# Altium PCB Minion_Rev2.PcbDoc (part 3 of 11)
Units mil, origin at the board's own origin, x right, y up, seen from the top; angles counter-clockwise.
Board outline 4724.41 x 6929.13 mil, 4 copper layers (L1, L2, L3, L4), stack 62.087 mil thick; 873 components, 147 nets, 5651 pads, 5666 vias.
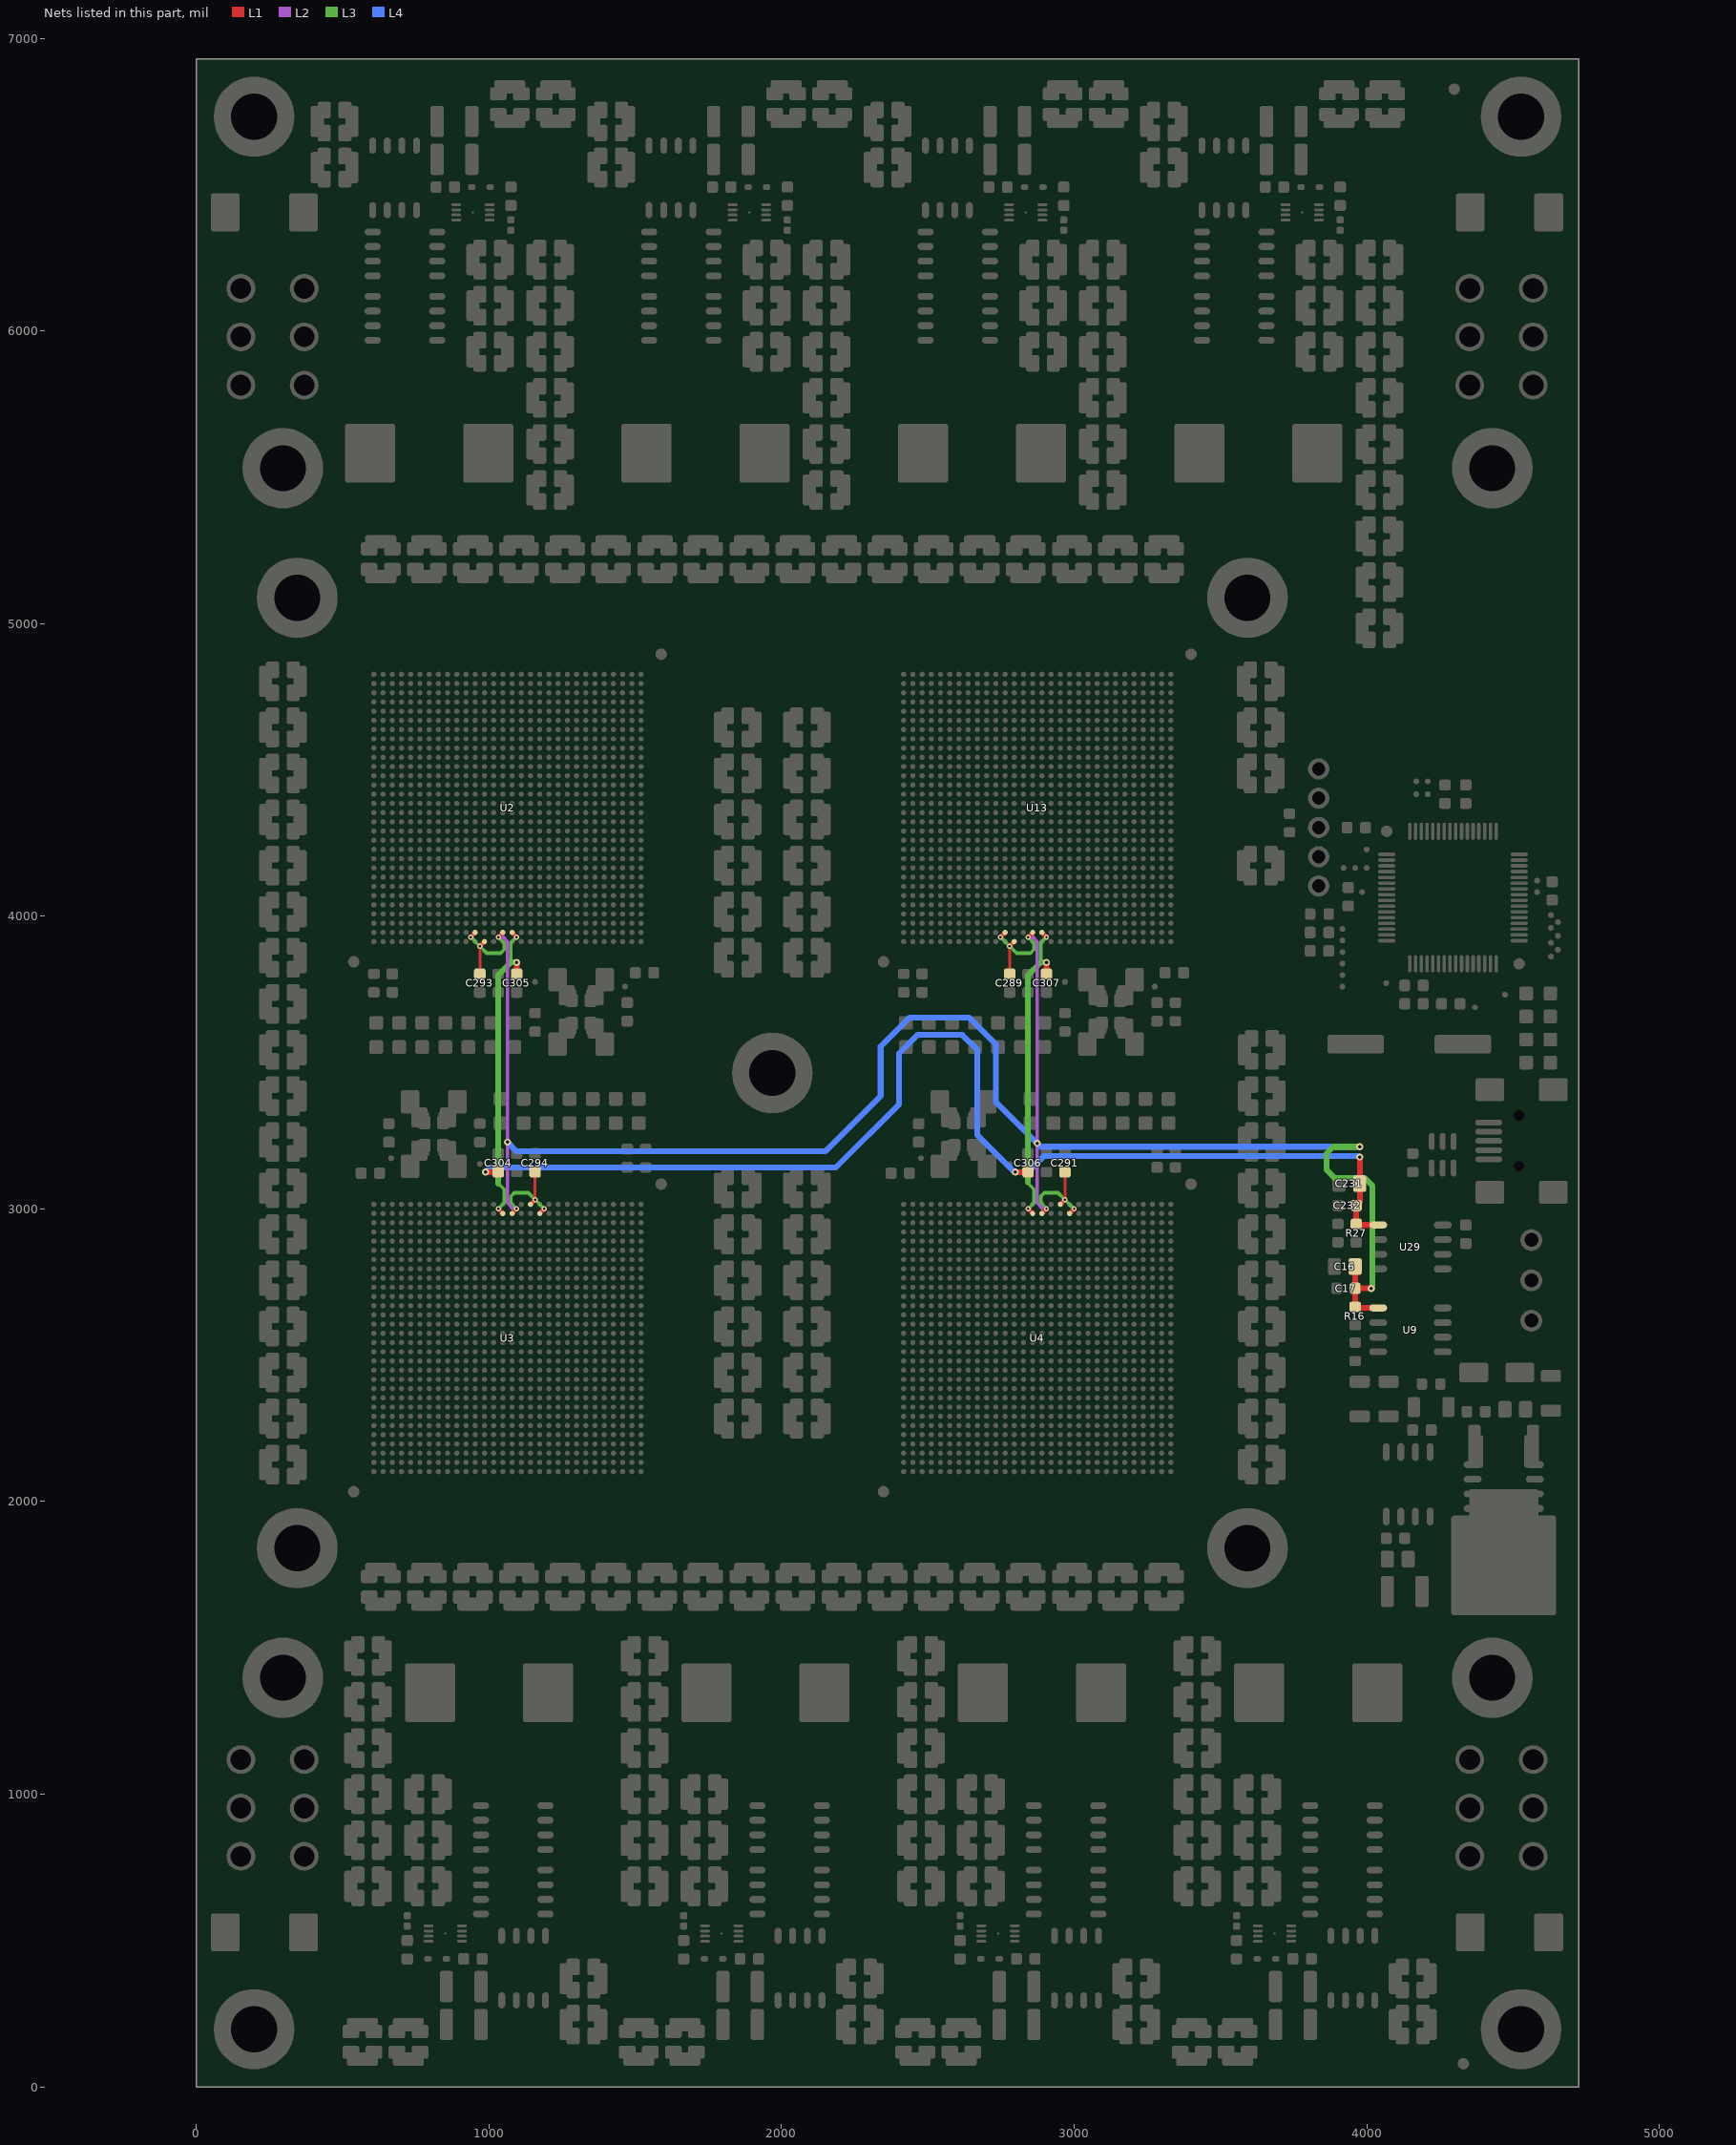
[diagram p5: the nets of this part, all layers, seen from the top]

## Footprints (in the part's own frame and the unit in brackets; to place one, negate y for a bottom-side part, rotate by r counter-clockwise, add the part's x,y. Pads: shape width x height; smd on the part's side, far side on the other; paste and mask are expansions set on the pad) (continued)
SMD_BGA900C80P30X30 [mm]
  round 0.45 smd mask+0.05: A1(-11.6,11.6) A2(-10.8,11.6) A3(-10,11.6) A4(-9.2,11.6) A5(-8.4,11.6) A6(-7.6,11.6) A7(-6.8,11.6) A8(-6,11.6) A9(-5.2,11.6) A10(-4.4,11.6) A11(-3.6,11.6) A12(-2.8,11.6) A13(-2,11.6) A14(-1.2,11.6) A15(-0.4,11.6) A16(0.4,11.6) A17(1.2,11.6) A18(2,11.6) A19(2.8,11.6) A20(3.6,11.6) A21(4.4,11.6) A22(5.2,11.6) A23(6,11.6) A24(6.8,11.6) A25(7.6,11.6) A26(8.4,11.6) A27(9.2,11.6) A28(10,11.6) A29(10.8,11.6) A30(11.6,11.6) AA1(-11.6,-4.4) AA2(-10.8,-4.4) AA3(-10,-4.4) AA4(-9.2,-4.4) AA5(-8.4,-4.4) AA6(-7.6,-4.4) AA7(-6.8,-4.4) AA8(-6,-4.4) AA9(-5.2,-4.4) AA10(-4.4,-4.4) AA11(-3.6,-4.4) AA12(-2.8,-4.4) AA13(-2,-4.4) AA14(-1.2,-4.4) AA15(-0.4,-4.4) AA16(0.4,-4.4) AA17(1.2,-4.4) AA18(2,-4.4) AA19(2.8,-4.4) AA20(3.6,-4.4) AA21(4.4,-4.4) AA22(5.2,-4.4) AA23(6,-4.4) AA24(6.8,-4.4) AA25(7.6,-4.4) AA26(8.4,-4.4) AA27(9.2,-4.4) AA28(10,-4.4) AA29(10.8,-4.4) AA30(11.6,-4.4) AB1(-11.6,-5.2) AB2(-10.8,-5.2) AB3(-10,-5.2) AB4(-9.2,-5.2) AB5(-8.4,-5.2) AB6(-7.6,-5.2) AB7(-6.8,-5.2) AB8(-6,-5.2) AB9(-5.2,-5.2) AB10(-4.4,-5.2) AB11(-3.6,-5.2) AB12(-2.8,-5.2) AB13(-2,-5.2) AB14(-1.2,-5.2) AB15(-0.4,-5.2) AB16(0.4,-5.2) AB17(1.2,-5.2) AB18(2,-5.2) AB19(2.8,-5.2) AB20(3.6,-5.2) AB21(4.4,-5.2) AB22(5.2,-5.2) AB23(6,-5.2) AB24(6.8,-5.2) AB25(7.6,-5.2) AB26(8.4,-5.2) AB27(9.2,-5.2) AB28(10,-5.2) AB29(10.8,-5.2) AB30(11.6,-5.2) AC1(-11.6,-6) AC2(-10.8,-6) AC3(-10,-6) AC4(-9.2,-6) AC5(-8.4,-6) AC6(-7.6,-6) AC7(-6.8,-6) AC8(-6,-6) AC9(-5.2,-6) AC10(-4.4,-6) AC11(-3.6,-6) AC12(-2.8,-6) AC13(-2,-6) AC14(-1.2,-6) AC15(-0.4,-6) AC16(0.4,-6) AC17(1.2,-6) AC18(2,-6) AC19(2.8,-6) AC20(3.6,-6) AC21(4.4,-6) AC22(5.2,-6) AC23(6,-6) AC24(6.8,-6) AC25(7.6,-6) AC26(8.4,-6) AC27(9.2,-6) AC28(10,-6) AC29(10.8,-6) AC30(11.6,-6) AD1(-11.6,-6.8) AD2(-10.8,-6.8) AD3(-10,-6.8) AD4(-9.2,-6.8) AD5(-8.4,-6.8) AD6(-7.6,-6.8) AD7(-6.8,-6.8) AD8(-6,-6.8) AD9(-5.2,-6.8) AD10(-4.4,-6.8) AD11(-3.6,-6.8) AD12(-2.8,-6.8) AD13(-2,-6.8) AD14(-1.2,-6.8) AD15(-0.4,-6.8) AD16(0.4,-6.8) AD17(1.2,-6.8) AD18(2,-6.8) AD19(2.8,-6.8) AD20(3.6,-6.8) AD21(4.4,-6.8) AD22(5.2,-6.8) AD23(6,-6.8) AD24(6.8,-6.8) AD25(7.6,-6.8) AD26(8.4,-6.8) AD27(9.2,-6.8) AD28(10,-6.8) AD29(10.8,-6.8) AD30(11.6,-6.8) AE1(-11.6,-7.6) AE2(-10.8,-7.6) AE3(-10,-7.6) AE4(-9.2,-7.6) AE5(-8.4,-7.6) AE6(-7.6,-7.6) AE7(-6.8,-7.6) AE8(-6,-7.6) AE9(-5.2,-7.6) AE10(-4.4,-7.6) AE11(-3.6,-7.6) AE12(-2.8,-7.6) AE13(-2,-7.6) AE14(-1.2,-7.6) AE15(-0.4,-7.6) AE16(0.4,-7.6) AE17(1.2,-7.6) AE18(2,-7.6) AE19(2.8,-7.6) AE20(3.6,-7.6) AE21(4.4,-7.6) AE22(5.2,-7.6) AE23(6,-7.6) AE24(6.8,-7.6) AE25(7.6,-7.6) AE26(8.4,-7.6) AE27(9.2,-7.6) AE28(10,-7.6) AE29(10.8,-7.6) AE30(11.6,-7.6) AF1(-11.6,-8.4) AF2(-10.8,-8.4) AF3(-10,-8.4) AF4(-9.2,-8.4) AF5(-8.4,-8.4) AF6(-7.6,-8.4) AF7(-6.8,-8.4) AF8(-6,-8.4) AF9(-5.2,-8.4) AF10(-4.4,-8.4) AF11(-3.6,-8.4) AF12(-2.8,-8.4) AF13(-2,-8.4) AF14(-1.2,-8.4) AF15(-0.4,-8.4) AF16(0.4,-8.4) AF17(1.2,-8.4) AF18(2,-8.4) AF19(2.8,-8.4) AF20(3.6,-8.4) AF21(4.4,-8.4) AF22(5.2,-8.4) AF23(6,-8.4) AF24(6.8,-8.4) AF25(7.6,-8.4) AF26(8.4,-8.4) AF27(9.2,-8.4) AF28(10,-8.4) AF29(10.8,-8.4) AF30(11.6,-8.4) AG1(-11.6,-9.2) AG2(-10.8,-9.2) AG3(-10,-9.2) AG4(-9.2,-9.2) AG5(-8.4,-9.2) AG6(-7.6,-9.2) AG7(-6.8,-9.2) AG8(-6,-9.2) AG9(-5.2,-9.2) AG10(-4.4,-9.2) AG11(-3.6,-9.2) AG12(-2.8,-9.2) AG13(-2,-9.2) AG14(-1.2,-9.2) AG15(-0.4,-9.2) AG16(0.4,-9.2) AG17(1.2,-9.2) AG18(2,-9.2) AG19(2.8,-9.2) AG20(3.6,-9.2) AG21(4.4,-9.2) AG22(5.2,-9.2) AG23(6,-9.2) AG24(6.8,-9.2) AG25(7.6,-9.2) AG26(8.4,-9.2) AG27(9.2,-9.2) AG28(10,-9.2) AG29(10.8,-9.2) AG30(11.6,-9.2) AH1(-11.6,-10) AH2(-10.8,-10) AH3(-10,-10) AH4(-9.2,-10) AH5(-8.4,-10) AH6(-7.6,-10) AH7(-6.8,-10) AH8(-6,-10) AH9(-5.2,-10) AH10(-4.4,-10) AH11(-3.6,-10) AH12(-2.8,-10) AH13(-2,-10) AH14(-1.2,-10) AH15(-0.4,-10) AH16(0.4,-10) AH17(1.2,-10) AH18(2,-10) AH19(2.8,-10) AH20(3.6,-10) AH21(4.4,-10) AH22(5.2,-10) AH23(6,-10) AH24(6.8,-10) AH25(7.6,-10) AH26(8.4,-10) AH27(9.2,-10) AH28(10,-10) AH29(10.8,-10) AH30(11.6,-10) AJ1(-11.6,-10.8) AJ2(-10.8,-10.8) AJ3(-10,-10.8) AJ4(-9.2,-10.8) AJ5(-8.4,-10.8) AJ6(-7.6,-10.8) AJ7(-6.8,-10.8) AJ8(-6,-10.8) AJ9(-5.2,-10.8) AJ10(-4.4,-10.8) AJ11(-3.6,-10.8) AJ12(-2.8,-10.8) AJ13(-2,-10.8) AJ14(-1.2,-10.8) AJ15(-0.4,-10.8) AJ16(0.4,-10.8) AJ17(1.2,-10.8) AJ18(2,-10.8) AJ19(2.8,-10.8) AJ20(3.6,-10.8) AJ21(4.4,-10.8) AJ22(5.2,-10.8) AJ23(6,-10.8) AJ24(6.8,-10.8) AJ25(7.6,-10.8) AJ26(8.4,-10.8) AJ27(9.2,-10.8) AJ28(10,-10.8) AJ29(10.8,-10.8) AJ30(11.6,-10.8) AK1(-11.6,-11.6) AK2(-10.8,-11.6) AK3(-10,-11.6) AK4(-9.2,-11.6) AK5(-8.4,-11.6) AK6(-7.6,-11.6) AK7(-6.8,-11.6) AK8(-6,-11.6) AK9(-5.2,-11.6) AK10(-4.4,-11.6) AK11(-3.6,-11.6) AK12(-2.8,-11.6) AK13(-2,-11.6) AK14(-1.2,-11.6) AK15(-0.4,-11.6) AK16(0.4,-11.6) AK17(1.2,-11.6) AK18(2,-11.6) AK19(2.8,-11.6) AK20(3.6,-11.6) AK21(4.4,-11.6) AK22(5.2,-11.6) AK23(6,-11.6) AK24(6.8,-11.6) AK25(7.6,-11.6) AK26(8.4,-11.6) AK27(9.2,-11.6) AK28(10,-11.6) AK29(10.8,-11.6) AK30(11.6,-11.6) B1(-11.6,10.8) B2(-10.8,10.8) B3(-10,10.8) B4(-9.2,10.8) B5(-8.4,10.8) B6(-7.6,10.8) B7(-6.8,10.8) B8(-6,10.8) B9(-5.2,10.8) B10(-4.4,10.8) B11(-3.6,10.8) B12(-2.8,10.8) B13(-2,10.8) B14(-1.2,10.8) B15(-0.4,10.8) B16(0.4,10.8) B17(1.2,10.8) B18(2,10.8) B19(2.8,10.8) B20(3.6,10.8) B21(4.4,10.8) B22(5.2,10.8) B23(6,10.8) B24(6.8,10.8) B25(7.6,10.8) B26(8.4,10.8) B27(9.2,10.8) B28(10,10.8) B29(10.8,10.8) B30(11.6,10.8) C1(-11.6,10) C2(-10.8,10) C3(-10,10) C4(-9.2,10) C5(-8.4,10) C6(-7.6,10) C7(-6.8,10) C8(-6,10) C9(-5.2,10) C10(-4.4,10) C11(-3.6,10) C12(-2.8,10) C13(-2,10) C14(-1.2,10) C15(-0.4,10) C16(0.4,10) C17(1.2,10) C18(2,10) C19(2.8,10) C20(3.6,10) C21(4.4,10) C22(5.2,10) C23(6,10) C24(6.8,10) C25(7.6,10) C26(8.4,10) C27(9.2,10) C28(10,10) C29(10.8,10) C30(11.6,10) D1(-11.6,9.2) D2(-10.8,9.2) D3(-10,9.2) D4(-9.2,9.2) D5(-8.4,9.2) D6(-7.6,9.2) D7(-6.8,9.2) D8(-6,9.2) D9(-5.2,9.2) D10(-4.4,9.2) D11(-3.6,9.2) D12(-2.8,9.2) D13(-2,9.2) D14(-1.2,9.2) D15(-0.4,9.2) D16(0.4,9.2) D17(1.2,9.2) D18(2,9.2) D19(2.8,9.2) D20(3.6,9.2) D21(4.4,9.2) D22(5.2,9.2) D23(6,9.2) D24(6.8,9.2) D25(7.6,9.2) D26(8.4,9.2) D27(9.2,9.2) D28(10,9.2) D29(10.8,9.2) D30(11.6,9.2) E1(-11.6,8.4) E2(-10.8,8.4) E3(-10,8.4) E4(-9.2,8.4) E5(-8.4,8.4) E6(-7.6,8.4) E7(-6.8,8.4) E8(-6,8.4) E9(-5.2,8.4) E10(-4.4,8.4) E11(-3.6,8.4) E12(-2.8,8.4) E13(-2,8.4) E14(-1.2,8.4) E15(-0.4,8.4) E16(0.4,8.4) E17(1.2,8.4) E18(2,8.4) E19(2.8,8.4) E20(3.6,8.4) E21(4.4,8.4) E22(5.2,8.4) E23(6,8.4) E24(6.8,8.4) E25(7.6,8.4) E26(8.4,8.4) E27(9.2,8.4) E28(10,8.4) E29(10.8,8.4) E30(11.6,8.4) F1(-11.6,7.6) F2(-10.8,7.6) F3(-10,7.6) F4(-9.2,7.6) F5(-8.4,7.6) F6(-7.6,7.6) F7(-6.8,7.6) F8(-6,7.6) F9(-5.2,7.6) F10(-4.4,7.6) F11(-3.6,7.6) F12(-2.8,7.6) F13(-2,7.6) F14(-1.2,7.6) F15(-0.4,7.6) F16(0.4,7.6) F17(1.2,7.6) F18(2,7.6) F19(2.8,7.6) F20(3.6,7.6) F21(4.4,7.6) F22(5.2,7.6) F23(6,7.6) F24(6.8,7.6) F25(7.6,7.6) F26(8.4,7.6) F27(9.2,7.6) F28(10,7.6) F29(10.8,7.6) F30(11.6,7.6) G1(-11.6,6.8) G2(-10.8,6.8) G3(-10,6.8) G4(-9.2,6.8) G5(-8.4,6.8) G6(-7.6,6.8) G7(-6.8,6.8) G8(-6,6.8) G9(-5.2,6.8) G10(-4.4,6.8) G11(-3.6,6.8) G12(-2.8,6.8) G13(-2,6.8) G14(-1.2,6.8) G15(-0.4,6.8) G16(0.4,6.8) G17(1.2,6.8) G18(2,6.8) G19(2.8,6.8) G20(3.6,6.8) G21(4.4,6.8) G22(5.2,6.8) G23(6,6.8) G24(6.8,6.8) G25(7.6,6.8) G26(8.4,6.8) G27(9.2,6.8) G28(10,6.8) G29(10.8,6.8) G30(11.6,6.8) H1(-11.6,6) H2(-10.8,6) H3(-10,6) H4(-9.2,6) H5(-8.4,6) H6(-7.6,6) H7(-6.8,6) H8(-6,6) H9(-5.2,6) H10(-4.4,6) H11(-3.6,6) H12(-2.8,6) H13(-2,6) H14(-1.2,6) H15(-0.4,6) H16(0.4,6) H17(1.2,6) H18(2,6) H19(2.8,6) H20(3.6,6) H21(4.4,6) H22(5.2,6) H23(6,6) H24(6.8,6) H25(7.6,6) H26(8.4,6) H27(9.2,6) H28(10,6) H29(10.8,6) H30(11.6,6) J1(-11.6,5.2) J2(-10.8,5.2) J3(-10,5.2) J4(-9.2,5.2) J5(-8.4,5.2) J6(-7.6,5.2) J7(-6.8,5.2) J8(-6,5.2) J9(-5.2,5.2) J10(-4.4,5.2) J11(-3.6,5.2) J12(-2.8,5.2) J13(-2,5.2) J14(-1.2,5.2) J15(-0.4,5.2) J16(0.4,5.2) J17(1.2,5.2) J18(2,5.2) J19(2.8,5.2) J20(3.6,5.2) J21(4.4,5.2) J22(5.2,5.2) J23(6,5.2) J24(6.8,5.2) J25(7.6,5.2) J26(8.4,5.2) J27(9.2,5.2) J28(10,5.2) J29(10.8,5.2) J30(11.6,5.2) K1(-11.6,4.4) K2(-10.8,4.4) K3(-10,4.4) K4(-9.2,4.4) K5(-8.4,4.4) K6(-7.6,4.4) K7(-6.8,4.4) K8(-6,4.4) K9(-5.2,4.4) K10(-4.4,4.4) K11(-3.6,4.4) K12(-2.8,4.4) K13(-2,4.4) K14(-1.2,4.4) K15(-0.4,4.4) K16(0.4,4.4) K17(1.2,4.4) K18(2,4.4) K19(2.8,4.4) K20(3.6,4.4) K21(4.4,4.4) K22(5.2,4.4) K23(6,4.4) K24(6.8,4.4) K25(7.6,4.4) K26(8.4,4.4) K27(9.2,4.4) K28(10,4.4) K29(10.8,4.4) K30(11.6,4.4) L1(-11.6,3.6) L2(-10.8,3.6) L3(-10,3.6) L4(-9.2,3.6) L5(-8.4,3.6) L6(-7.6,3.6) L7(-6.8,3.6) L8(-6,3.6) L9(-5.2,3.6) L10(-4.4,3.6) L11(-3.6,3.6) L12(-2.8,3.6) L13(-2,3.6) L14(-1.2,3.6) L15(-0.4,3.6) L16(0.4,3.6) L17(1.2,3.6) L18(2,3.6) L19(2.8,3.6) L20(3.6,3.6) L21(4.4,3.6) L22(5.2,3.6) L23(6,3.6) L24(6.8,3.6) L25(7.6,3.6) L26(8.4,3.6) L27(9.2,3.6) L28(10,3.6) L29(10.8,3.6) L30(11.6,3.6) M1(-11.6,2.8) M2(-10.8,2.8) M3(-10,2.8) M4(-9.2,2.8) M5(-8.4,2.8) M6(-7.6,2.8) M7(-6.8,2.8) M8(-6,2.8) M9(-5.2,2.8) M10(-4.4,2.8) M11(-3.6,2.8) M12(-2.8,2.8) M13(-2,2.8) M14(-1.2,2.8) M15(-0.4,2.8) M16(0.4,2.8) M17(1.2,2.8) M18(2,2.8) M19(2.8,2.8) M20(3.6,2.8) M21(4.4,2.8) M22(5.2,2.8) M23(6,2.8) M24(6.8,2.8) M25(7.6,2.8) M26(8.4,2.8) M27(9.2,2.8) M28(10,2.8) M29(10.8,2.8) M30(11.6,2.8) N1(-11.6,2) N2(-10.8,2) N3(-10,2) N4(-9.2,2) N5(-8.4,2) N6(-7.6,2) N7(-6.8,2) N8(-6,2) N9(-5.2,2) N10(-4.4,2) N11(-3.6,2) N12(-2.8,2) N13(-2,2) N14(-1.2,2) N15(-0.4,2) N16(0.4,2) N17(1.2,2) N18(2,2) N19(2.8,2) N20(3.6,2) N21(4.4,2) N22(5.2,2) N23(6,2) N24(6.8,2) N25(7.6,2) N26(8.4,2) N27(9.2,2) N28(10,2) N29(10.8,2) N30(11.6,2) P1(-11.6,1.2) P2(-10.8,1.2) P3(-10,1.2) P4(-9.2,1.2) P5(-8.4,1.2) P6(-7.6,1.2) P7(-6.8,1.2) P8(-6,1.2) P9(-5.2,1.2) P10(-4.4,1.2) P11(-3.6,1.2) P12(-2.8,1.2) P13(-2,1.2) P14(-1.2,1.2) P15(-0.4,1.2) P16(0.4,1.2) P17(1.2,1.2) P18(2,1.2) P19(2.8,1.2) P20(3.6,1.2) P21(4.4,1.2) P22(5.2,1.2) P23(6,1.2) P24(6.8,1.2) P25(7.6,1.2) P26(8.4,1.2) P27(9.2,1.2) P28(10,1.2) P29(10.8,1.2) P30(11.6,1.2) R1(-11.6,0.4) R2(-10.8,0.4) R3(-10,0.4) R4(-9.2,0.4) R5(-8.4,0.4) R6(-7.6,0.4) R7(-6.8,0.4) R8(-6,0.4) R9(-5.2,0.4) R10(-4.4,0.4) R11(-3.6,0.4) R12(-2.8,0.4) R13(-2,0.4) R14(-1.2,0.4) R15(-0.4,0.4) R16(0.4,0.4) R17(1.2,0.4) R18(2,0.4) R19(2.8,0.4) R20(3.6,0.4) R21(4.4,0.4) R22(5.2,0.4) R23(6,0.4) R24(6.8,0.4) R25(7.6,0.4) R26(8.4,0.4) R27(9.2,0.4) R28(10,0.4) R29(10.8,0.4) R30(11.6,0.4) T1(-11.6,-0.4) T2(-10.8,-0.4) T3(-10,-0.4) T4(-9.2,-0.4) T5(-8.4,-0.4) T6(-7.6,-0.4) T7(-6.8,-0.4) T8(-6,-0.4) T9(-5.2,-0.4) T10(-4.4,-0.4) T11(-3.6,-0.4) T12(-2.8,-0.4) T13(-2,-0.4) T14(-1.2,-0.4) T15(-0.4,-0.4) T16(0.4,-0.4) T17(1.2,-0.4) T18(2,-0.4) T19(2.8,-0.4) T20(3.6,-0.4) T21(4.4,-0.4) T22(5.2,-0.4) T23(6,-0.4) T24(6.8,-0.4) T25(7.6,-0.4) T26(8.4,-0.4) T27(9.2,-0.4) T28(10,-0.4) T29(10.8,-0.4) T30(11.6,-0.4) U1(-11.6,-1.2) U2(-10.8,-1.2) U3(-10,-1.2) U4(-9.2,-1.2) U5(-8.4,-1.2) U6(-7.6,-1.2) U7(-6.8,-1.2) U8(-6,-1.2) U9(-5.2,-1.2) U10(-4.4,-1.2) U11(-3.6,-1.2) U12(-2.8,-1.2) U13(-2,-1.2) U14(-1.2,-1.2) U15(-0.4,-1.2) U16(0.4,-1.2) U17(1.2,-1.2) U18(2,-1.2) U19(2.8,-1.2) U20(3.6,-1.2) U21(4.4,-1.2) U22(5.2,-1.2) U23(6,-1.2) U24(6.8,-1.2) U25(7.6,-1.2) U26(8.4,-1.2) U27(9.2,-1.2) U28(10,-1.2) U29(10.8,-1.2) U30(11.6,-1.2) V1(-11.6,-2) V2(-10.8,-2) V3(-10,-2) V4(-9.2,-2) V5(-8.4,-2) V6(-7.6,-2) V7(-6.8,-2) V8(-6,-2) V9(-5.2,-2) V10(-4.4,-2) V11(-3.6,-2) V12(-2.8,-2) V13(-2,-2) V14(-1.2,-2) V15(-0.4,-2) V16(0.4,-2) V17(1.2,-2) V18(2,-2) V19(2.8,-2) V20(3.6,-2) V21(4.4,-2) V22(5.2,-2) V23(6,-2) V24(6.8,-2) V25(7.6,-2) V26(8.4,-2) V27(9.2,-2) V28(10,-2) V29(10.8,-2) V30(11.6,-2) W1(-11.6,-2.8) W2(-10.8,-2.8) W3(-10,-2.8) W4(-9.2,-2.8) W5(-8.4,-2.8) W6(-7.6,-2.8) W7(-6.8,-2.8) W8(-6,-2.8) W9(-5.2,-2.8) W10(-4.4,-2.8) W11(-3.6,-2.8) W12(-2.8,-2.8) W13(-2,-2.8) W14(-1.2,-2.8) W15(-0.4,-2.8) W16(0.4,-2.8) W17(1.2,-2.8) W18(2,-2.8) W19(2.8,-2.8) W20(3.6,-2.8) W21(4.4,-2.8) W22(5.2,-2.8) W23(6,-2.8) W24(6.8,-2.8) W25(7.6,-2.8) W26(8.4,-2.8) W27(9.2,-2.8) W28(10,-2.8) W29(10.8,-2.8) W30(11.6,-2.8) Y1(-11.6,-3.6) Y2(-10.8,-3.6) Y3(-10,-3.6) Y4(-9.2,-3.6) Y5(-8.4,-3.6) Y6(-7.6,-3.6) Y7(-6.8,-3.6) Y8(-6,-3.6) Y9(-5.2,-3.6) Y10(-4.4,-3.6) Y11(-3.6,-3.6) Y12(-2.8,-3.6) Y13(-2,-3.6) Y14(-1.2,-3.6) Y15(-0.4,-3.6) Y16(0.4,-3.6) Y17(1.2,-3.6) Y18(2,-3.6) Y19(2.8,-3.6) Y20(3.6,-3.6) Y21(4.4,-3.6) Y22(5.2,-3.6) Y23(6,-3.6) Y24(6.8,-3.6) Y25(7.6,-3.6) Y26(8.4,-3.6) Y27(9.2,-3.6) Y28(10,-3.6) Y29(10.8,-3.6) Y30(11.6,-3.6)
  round 1 smd mask+0.5: FID1(-13.35,-13.35) FID2(13.35,13.35)
  L1 keep-out region: -12.35,-13.35 -12.426,-12.967 -12.643,-12.643 -12.967,-12.426 -13.35,-12.35 -13.35,-12.35 -13.733,-12.426 -14.057,-12.643 -14.274,-12.967 -14.35,-13.35 -14.35,-13.35 -14.274,-13.733 -14.057,-14.057 -13.733,-14.274 -13.35,-14.35 -13.35,-14.35 -12.967,-14.274 -12.643,-14.057 -12.426,-13.733 -12.35,-13.35
  L1 keep-out region: 14.35,13.35 14.274,13.733 14.057,14.057 13.733,14.274 13.35,14.35 13.35,14.35 12.967,14.274 12.643,14.057 12.426,13.733 12.35,13.35 12.35,13.35 12.426,12.967 12.643,12.643 12.967,12.426 13.35,12.35 13.35,12.35 13.733,12.426 14.057,12.643 14.274,12.967 14.35,13.35
  silkscreen extent -13.22,-12.5 12.5,12.5, body extent -12.5,-12.5 12.5,12.5, height 2.4
SMD_CON-CVILUX-CU04-SCM15B0 [mm]
  rrect80% 0.5x2.3 smd mask+0.075: 1(-1.6,2.6) 2(-0.8,2.6) 3(0,2.6) 4(0.8,2.6) 5(1.6,2.6)
  rrect20% 2x2.5 smd mask+0.075: 6(4.45,2.5) 7(4.45,-3) 8(-4.45,-3) 9(-4.45,2.5)
  round 0.5 hole 0.9 unplated mask+0.275: 10(-2.2,0) 11(2.2,0)
  silkscreen extent -3.85,-4.7 3.85,4.15, body extent -4.95,-5.9 4.95,3.1, height 3.95
SMD_DO214AC_SMA [mm]
  rrect24% 2.5x1.7 smd mask+0.075: 1(-2,0) 2(2,0)
  silkscreen extent -3.25,-1.45 2.3,1.45, body extent -2.64,-1.39 2.64,1.4, height 2.29
SMD_DO214AC_SMC [mm]
  rrect16% 2.5x3.3 smd mask+0.075: 1(-3.4,0) 2(3.4,0)
  silkscreen extent -4.5,-3.1 3.55,3.1, body extent -4.06,-3.11 4.07,3.11, height 2.62
SMD_HC49_XTAL1140X480X420N [mm]
  rrect25% 4.9x1.6 smd mask+0.075: 1(-4.65,0) 2(4.65,0)
  silkscreen extent -5.7,-2.35 5.7,2.35, body extent -6.5,-2.4 6.5,2.4, height 4.2
SMD_OSCCC500X700X100-4N [mm]
  rrect25% 1.6x2.05 smd mask+0.075: 1(-2.05,2.8) 2(-2.05,-2.8) 3(2.05,-2.8) 4(2.05,2.8)
  silkscreen extent -3.48,-3.6 2.5,3.6
SMD_OSCCF200X250X90-4N [mm]
  rrect38% 1.05x1.15 smd mask+0.075: 1(-0.8,1) 2(-0.8,-1) 3(0.8,-1) 4(0.8,1)
  silkscreen extent -1.97,0.88 -1.73,1.12, body extent -1.07,-1.32 1.07,1.32, height 0.9
SMD_OSCCF250X320X90-4N [mm]
  rrect33% 1.2x1.4 smd mask+0.075: 1(-1,1.25) 2(-1,-1.25) 3(1,-1.25) 4(1,1.25)
  silkscreen extent -2.23,1.13 -1.98,1.37, body extent -1.32,-1.67 1.32,1.67, height 0.9
SMD_OSCCF320X400X90-4N [mm]
  rrect29% 1.4x1.75 smd mask+0.075: 1(-1.25,1.45) 2(-1.25,-1.45) 3(1.25,-1.45) 4(1.25,1.45)
  silkscreen extent -2.58,1.33 -2.33,1.57, body extent -1.67,-2.07 1.67,2.07, height 0.9
SMD_QFP50P1200X1200X120-64N [mm]
  oval 1.5x0.3 smd mask+0.05: 1(-5.75,3.75) 2(-5.75,3.25) 3(-5.75,2.75) 4(-5.75,2.25) 5(-5.75,1.75) 6(-5.75,1.25) 7(-5.75,0.75) 8(-5.75,0.25) 9(-5.75,-0.25) 10(-5.75,-0.75) 11(-5.75,-1.25) 12(-5.75,-1.75) 13(-5.75,-2.25) 14(-5.75,-2.75) 15(-5.75,-3.25) 16(-5.75,-3.75) 33(5.75,-3.75) 34(5.75,-3.25) 35(5.75,-2.75) 36(5.75,-2.25) 37(5.75,-1.75) 38(5.75,-1.25) 39(5.75,-0.75) 40(5.75,-0.25) 41(5.75,0.25) 42(5.75,0.75) 43(5.75,1.25) 44(5.75,1.75) 45(5.75,2.25) 46(5.75,2.75) 47(5.75,3.25) 48(5.75,3.75)
  oval 0.3x1.5 smd mask+0.05: 17(-3.75,-5.75) 18(-3.25,-5.75) 19(-2.75,-5.75) 20(-2.25,-5.75) 21(-1.75,-5.75) 22(-1.25,-5.75) 23(-0.75,-5.75) 24(-0.25,-5.75) 25(0.25,-5.75) 26(0.75,-5.75) 27(1.25,-5.75) 28(1.75,-5.75) 29(2.25,-5.75) 30(2.75,-5.75) 31(3.25,-5.75) 32(3.75,-5.75) 49(3.75,5.75) 50(3.25,5.75) 51(2.75,5.75) 52(2.25,5.75) 53(1.75,5.75) 54(1.25,5.75) 55(0.75,5.75) 56(0.25,5.75) 57(-0.25,5.75) 58(-0.75,5.75) 59(-1.25,5.75) 60(-1.75,5.75) 61(-2.25,5.75) 62(-2.75,5.75) 63(-3.25,5.75) 64(-3.75,5.75)
  round 1 smd paste-0.5 mask+0.5: 65(-5.75,-5.75) 66(5.75,5.75)
  L1 keep-out region: 6.75,5.75 6.674,6.133 6.457,6.457 6.133,6.674 5.75,6.75 5.75,6.75 5.367,6.674 5.043,6.457 4.826,6.133 4.75,5.75 4.75,5.75 4.826,5.367 5.043,5.043 5.367,4.826 5.75,4.75 5.75,4.75 6.133,4.826 6.457,5.043 6.674,5.367 6.75,5.75
  L1 keep-out region: -4.75,-5.75 -4.826,-5.367 -5.043,-5.043 -5.367,-4.826 -5.75,-4.75 -5.75,-4.75 -6.133,-4.826 -6.457,-5.043 -6.674,-5.367 -6.75,-5.75 -6.75,-5.75 -6.674,-6.133 -6.457,-6.457 -6.133,-6.674 -5.75,-6.75 -5.75,-6.75 -5.367,-6.674 -5.043,-6.457 -4.826,-6.133 -4.75,-5.75
  silkscreen extent -6.45,-5.15 5.15,5.15, body extent -6,-6 6,6, height 1.2
SMD_SOD523_SOD1608X65N [mm]
  rrect80% 0.65x0.5 smd mask+0.075: 1(-0.8,0) 2(0.8,0)
  silkscreen extent -1.45,0.35 -1.15,0.65, body extent -0.8,-0.4 0.8,0.4, height 0.7
SMD_SOIC127P600X110-9AN [mm]
  oval 1.4x0.6 smd mask+0.075: 1(-2.8,1.905) 2(-2.8,0.635) 3(-2.8,-0.635) 4(-2.8,-1.905) 5(2.8,-1.905) 6(2.8,-0.635) 7(2.8,0.635) 8(2.8,1.905)
  L1 region: -1.35,2.7 -0.15,2.7 -0.15,2.2 2.4,2.2 2.4,-2.2 -0.15,-2.2 -0.15,-2.7 -1.35,-2.7 -1.35,2.7
  body extent -3.2,-2.45 3.2,2.45, height 1.1
SMD_SOIC127P600X175-8N [mm]
  oval 1.55x0.6 smd mask+0.075: 1(-2.7,1.905) 2(-2.7,0.635) 3(-2.7,-0.635) 4(-2.7,-1.905) 5(2.7,-1.905) 6(2.7,-0.635) 7(2.7,0.635) 8(2.7,1.905)
  silkscreen extent -3.5,-2.55 2.05,2.55, body extent -3,-2.5 3,2.5, height 1.75
SMD_SOIC127P620X160-8N [mm]
  oval 1.55x0.6 smd mask+0.075: 1(-2.8,1.905) 2(-2.8,0.635) 3(-2.8,-0.635) 4(-2.8,-1.905) 5(2.8,-1.905) 6(2.8,-0.635) 7(2.8,0.635) 8(2.8,1.905)
  silkscreen extent -3.5,-2.55 2.05,2.55, body extent -3.1,-2.5 3.1,2.5, height 1.7
SMD_SON45P300X200X80-9N [mm]
  oval 0.85x0.25 smd mask+0.05: 1(-1.45,0.675) 2(-1.45,0.225) 3(-1.45,-0.225) 4(-1.45,-0.675) 5(1.45,-0.675) 6(1.45,-0.225) 7(1.45,0.225) 8(1.45,0.675)
  round 0.2 smd: 9(0,0)
  L1 region: -0.8,0.725 0.8,0.725 0.8,-0.725 -0.8,-0.725 -0.8,0.725
  silkscreen extent -1.85,-1 0.8,1, body extent -1.5,-1 1.5,1, height 0.85
SMD_SOT457_SOT95P275X110-6N [mm]
  rrect80% 1.45x0.5 smd mask+0.075: 1(-1.15,0.95) 2(-1.15,0) 3(-1.15,-0.95) 4(1.15,-0.95) 5(1.15,0) 6(1.15,0.95)
  silkscreen extent -1.9,-1.6 0.85,1.6, body extent -1.37,-1.45 1.38,1.45, height 1.1
SMD_TO229P991X239-4N_DPAK [mm]
  rrect40% 2.85x1 smd mask+0.075: 1(-4.15,2.29) 3(-4.15,-2.29)
  rrect7% 6.45x6 smd paste-3.225 mask+0.075: 4(2.35,0)
  silkscreen extent -5.65,-3.3 -1.9,3.4, body extent -4.88,-3.27 4.88,3.27, height 2.38
SMD_TO254P1542X460-3_4N [mm]
  rrect38% 3.75x1.05 smd mask+0.075: 1(-6.4,2.54) 3(-6.4,-2.54)
  rrect5% 8.65x9.1 smd paste-4.55 mask+0.075: 4(3.95,0)
  silkscreen extent -8.12,-5.2 -2.45,5.2, body extent -7.65,-5.1 7.65,5.1, height 4.6
SMD_TP_100-254 [mm]
  round 0.5 smd paste-0.25 mask+0.075: 1(0,0)
  silkscreen extent -0.55,-0.55 0.55,0.55
SMT_INDM135130X800N [mm]
  rrect9% 4.35x5.1 smd mask+0.075: 1(-5.125,0) 2(5.125,0)
  silkscreen extent -6.73,-6.48 6.73,6.48, body extent -6.26,-6.25 6.26,6.25, height 8

## Part data
C1 C2 C12 C15 C20 C21 C52 C53 C84 C85 C116 C117: library part CAP000043646
C3: library part CAP000024113
C5 C6 C7 C8 C9 C17 C232 C289 C291 C293 C294 C303 C304 C305 C306 C307 C309 C315 C322 C594 C595 C597 C601 C604 C608 C609 C610 C616: library part CAP000027236
C10 C11: library part CAP000031922
C13 C34 C35 C39 C40 C41 C46 C47 C48 C49 C50 C51 C54 C55 C58 C59 C66 C67 C68 C71 C72 C73 C98 C99 C100 C103 C104 C105 C130 C131 C132 C135 C136 C137 C156 C157 C158 C159 C160 C161 C162 C163 C164 C165 C197 C198 C199 C200 C201 C202 C203 C204 C205 C206 C207 C208 C209 C210 C211 C212 C213 C214 C236 C239 C350 C351 C352 C393 C394 C395 C396 C397 C398 C399 C400 C401 C408 C409 C410 C411 C412 C413 C414 C415 C416 C417 C418 C419 C653 C656 C659 C662 C665 C668 C671 C674 C677 C680 C743 C746 C749 C752 C755 C758 C761 C764 C767 C770 C833 C836 C839 C842 C845 C848 C851 C854 C857 C860 C923 C926 C929 C932 C935 C938 C941 C944 C947 C950 C953 C956 C959 C962 C965 C968 C971 C974 C977 C980 C983 C986 C989 C992 C995 C998 C1001 C1004 C1007 C1010 C1013 C1016 C1019 C1022 C1025 C1028 C1031 C1034 C1037 C1040 C1043 C1046 C1049 C1052 C1055 C1058 C1061 C1064 C1067 C1070: library part CAP000047355
C14 C16 C19 C22 C23 C26 C27 C30 C31 C36 C42 C43 C44 C45 C62 C63 C74 C75 C76 C77 C78 C79 C80 C81 C82 C83 C86 C87 C90 C91 C94 C95 C106 C107 C108 C109 C110 C111 C112 C113 C114 C115 C118 C119 C122 C123 C126 C127 C138 C139 C140 C141 C142 C143 C144 C145 C146 C147 C148 C149 C150 C151 C152 C153 C154 C155 C166 C167 C169 C170 C171 C172 C173 C174 C175 C176 C177 C178 C179 C180 C231 C323 C324 C325 C326 C327 C328 C329 C330 C331 C332 C333 C334 C335 C336 C337 C338 C339 C340 C341 C342 C343 C344 C345 C346 C353 C354 C355 C356 C357 C358 C359 C360 C361 C362 C363 C364 C365 C366 C367 C368 C369 C370 C371 C372 C373 C374 C375 C376 C444 C445 C446 C447 C448 C449 C450 C451 C452 C453 C454 C455 C456 C457 C458 C459 C460 C461 C462 C463 C464 C465 C466 C467 C468 C469 C470 C471 C472 C473 C474 C475 C476 C477 C478 C479 C480 C481 C482 C483 C484 C485 C486 C487 C488 C489 C490 C491 C652 C654 C655 C657 C658 C660 C661 C663 C664 C666 C667 C669 C670 C672 C673 C675 C676 C678 C679 C681 C742 C744 C745 C747 C748 C750 C751 C753 C754 C756 C757 C759 C760 C762 C763 C765 C766 C768 C769 C771 C832 C834 C835 C837 C838 C840 C841 C843 C844 C846 C847 C849 C850 C852 C853 C855 C856 C858 C859 C861 C922 C924 C925 C927 C928 C930 C931 C933 C934 C936 C937 C939 C940 C942 C943 C945 C946 C948 C949 C951 C952 C954 C955 C957 C958 C960 C961 C963 C964 C966 C967 C969 C970 C972 C973 C975 C976 C978 C979 C981 C982 C984 C985 C987 C988 C990 C991 C993 C994 C996 C997 C999 C1000 C1002 C1003 C1005 C1006 C1008 C1009 C1011 C1012 C1014 C1015 C1017 C1018 C1020 C1021 C1023 C1024 C1026 C1027 C1029 C1030 C1032 C1033 C1035 C1036 C1038 C1039 C1041 C1042 C1044 C1045 C1047 C1048 C1050 C1051 C1053 C1054 C1056 C1057 C1059 C1060 C1062 C1063 C1065 C1066 C1068 C1069 C1071: library part CAP000043686
C24 C25 C56 C57 C88 C89 C120 C121: library part CAP000022751
C28 C29 C60 C61 C92 C93 C124 C125: library part CAP000022968
C32 C33 C37 C38 C64 C65 C69 C70 C96 C97 C101 C102 C128 C129 C133 C134 C348 C349 C402 C403 C404 C405 C406 C407 C420 C421 C422 C423 C424 C425 C426 C427 C593 C596 C599 C602 C605 C686 C689 C692 C695 C776 C779 C782 C785 C866 C869 C872: library part TMP-2512
C347: library part CAP000043344
C377 C378 C379 C380 C381 C382 C383 C384 C385 C386 C387 C388 C389 C390 C391 C392 C428 C429 C430 C431 C432 C433 C434 C435 C436 C437 C438 C439 C440 C441 C442 C443 C592 C598 C600 C603 C606 C640 C642 C643 C645 C646 C688 C711 C712 C714 C715 C717 C807 C808 C810 C811 C813 C814 C868 C876 C877 C879 C880 C882 C913 C915 C916 C918 C919: library part CAP000043636
D1 D5 D12 D20 D21 D33 D34 D40 D41: library part OPT000000095
D2 D4 D7 D13 D17 D24 D25 D31 D35 D36 D39 D42 D43 D46: library part OPT000000096
D3 D9 D16 D27 D29 D37 D38 D44 D45: library part OPT000000092
D6: library part DDE000002846
D8: library part DDE000000580
D10 D11 D14 D15 D18 D19 D22 D23: library part DDE000001203
D26 D28 D30 D32: library part DDE000001725
FID1 FID2: library part FID000000001
J1: library part CON000000006
J2: library part CON000000048
J3: library part CON000000272
J4 J5 J6 J7: library part CON000000271
J9 J13 J14 J15 J16 J17 J18 J19 J20 J21 J22 J23 J24: library part MTH000000030
L1 L2 L5 L6 L9 L10 L13 L14: library part L
Q1 Q2 Q5 Q6 Q7 Q8 Q13 Q14 Q17 Q18 Q19 Q20 Q25 Q26 Q29 Q30 Q31 Q32 Q37 Q38 Q41 Q42 Q43 Q44: library part TRA000001604
R1 R2 R3 R19 R25 R37 R38 R39 R40 R41 R42: library part RES000006349
R6 R26 R28 R31 R32: library part RES000008663
R13: library part RES000006922
R14 R15: library part RES000008756
R16: library part R_42k
R17: library part RES000006287
R27: library part RES000008586
R33: library part RES000008926
R34: library part RES000007051
TP1 TP2 TP3 TP4 TP5 TP6 TP7 TP8 TP9 TP10 TP11 TP12 TP13 TP14 TP15 TP16 TP17 TP18 TP19 TP20 TP21 TP22 TP23 TP24 TP25 TP26 TP123 TP124 TP125 TP126 TP127 TP128 TP129 TP131 TP132: library part TPO000000001
U2 U3 U4 U13: library part "Minion 99s256"
U6: library part PSU000000127
U7: library part PSU000000129
U8: library part PSU000000031
U9 U29: library part PSU000000128
U10: library part MCU000000070
U11 U12 U15 U16 U19 U20 U23 U24: library part DRV000000079
U28: library part PSU000000125
Y1: library part OSC000000012
YO1 YO4 YO9 YO11: library part SMD_OSC_DFN_2X2.5MM
YO2 YO5 YO10 YO12: library part SMD_OSC_DFN_2.5X3.2MM
YO3 YO6 YO13 YO15: library part SMD_OSC_DFN_3.2x5mm
YO7 YO8 YO14 YO16: library part "SMD_OSC_TA 7x5mm"

## Via types
v1: diameter 17.72/17.72/17.72/17.72 (per signal layer), hole 7.87, L1 to L4, 3578 vias
v2: diameter 23.62/23.62/23.62/23.62 (per signal layer), hole 11.81, L1 to L4, 2088 vias

## Nets (pads, with @x,y where several pads share a name; then routed paths per layer and width w, separated by ;. In a path a pad name is that pad's centre, name@x,y a point inside that pad or via, vN(x,y) a via of type N, cw(c..) or ccw(c..) an arc to the next point about the centre after c; other vN are vias at no path point)
0.9V: C231.1 C232.1 C304.2 C305.2 C306.2 C307.2 R27.1 U2.AJ16 U3.AJ16 U4.AJ16 U13.AJ16 U29.1 | length 6306
  L1 w15.75: v1(1031.5,3000) U3.AJ16@1047.24,2984.25 ; U2.AJ16@1078.74,3944.88 v1(1094.49,3929.13) ; v1(2842.52,3000) U4.AJ16@2858.27,2984.25 ; U13.AJ16@2889.76,3944.88 v1(2905.51,3929.13)
  L1 w19.68: v2(988.19,3125.98) C304.2@1031.5,3125.98 ; C305.2@1094.49,3803.15 v2(1094.49,3842.52) ; v2(2799.21,3125.98) C306.2@2842.52,3125.98 ; C307.2@2905.51,3803.15 v2(2905.51,3842.52) ; v2(3976.38,3177.17) 3976.38,3023.62 C232.1@3964.57,3011.81 R27.1@3964.57,2948.82 3968.31,2945.08 U29.1@4039.37,2945.08
  L3 w11.81: v1(1031.5,3000) 1051.18,3019.69 1051.18,3066.93 1031.5,3086.61 ; 1074.8,3842.52 1074.8,3909.45 v1(1094.49,3929.13) ; v1(2842.52,3000) 2862.2,3019.69 2862.2,3066.93 2842.52,3086.61 2842.52,3090.55 ; 2885.83,3842.52 2885.83,3909.45 v1(2905.51,3929.13)
  L3 w19.68: v2(988.19,3125.98) 1031.5,3125.98 ; 1031.5,3086.61 1031.5,3125.98 ; v2(1094.49,3842.52) 1074.8,3842.52 1031.5,3799.21 1031.5,3125.98 ; v2(2799.21,3125.98) 2842.52,3125.98 ; 2842.52,3090.55 2842.52,3125.98 ; v2(2905.51,3842.52) 2885.83,3842.52 2842.52,3799.21 2842.52,3125.98
  L4 w19.68: v2(988.19,3125.98) 1003.94,3141.73 2185.04,3141.73 2401.57,3358.27 2401.57,3531.5 2464.57,3594.49 2618.11,3594.49 2669.29,3543.31 2669.29,3251.97 2795.28,3125.98 v2(2799.21,3125.98) 2842.52,3125.98 2897.64,3181.1 3972.44,3181.1 v2(3976.38,3177.17)
1.8V: C16.1 C17.1 C289.2 C291.2 C293.2 C294.2 R16.1 U2.AJ12 U2.AJ15 U2.AK13 U3.AJ12 U3.AJ15 U3.AK13 U4.AJ12 U4.AJ15 U4.AK13 U9.1 U13.AJ12 U13.AJ15 U13.AK13 | length 7861
  L1 w9.84: C293.2@968.5,3803.15 v1(968.5,3897.64) ; v1(1157.48,3031.5) C294.2@1157.48,3125.98 ; C289.2@2779.53,3803.15 v1(2779.53,3897.64) ; v1(2968.5,3031.5) C291.2@2968.5,3125.98
  L1 w15.75: v1(937.01,3929.13) U2.AJ12@952.76,3944.88 ; v1(968.5,3897.64) U2.AK13@984.25,3913.39 ; v1(1031.5,3929.13) U2.AJ15@1047.24,3944.88 ; U3.AJ15@1078.74,2984.25 v1(1094.49,3000) ; U3.AK13@1141.73,3015.75 v1(1157.48,3031.5) ; U3.AJ12@1173.23,2984.25 v1(1188.98,3000) ; v1(2748.03,3929.13) U13.AJ12@2763.78,3944.88 ; v1(2779.53,3897.64) U13.AK13@2795.28,3913.39 ; v1(2842.52,3929.13) U13.AJ15@2858.27,3944.88 ; U4.AJ15@2889.76,2984.25 v1(2905.51,3000) ; U4.AK13@2952.76,3015.75 v1(2968.5,3031.5) ; U4.AJ12@2984.25,2984.25 v1(3000,3000)
  L1 w19.68: C16.1@3960.63,2803.15 C17.1@3960.63,2728.35 ; v2(4015.75,2728.35) C17.1@3960.63,2728.35 ; U9.1@4039.37,2661.61 3964.37,2661.61 R16.1@3960.63,2665.35 C17.1@3960.63,2728.35
  L2 w11.81: v1(1031.5,3929.13) 1047.24,3929.13 1062.99,3913.39 v2(1062.99,3228.35) 1062.99,3019.69 1082.68,3000 v1(1094.49,3000) ; v1(2842.52,3929.13) 2858.27,3929.13 2874.02,3913.39 v2(2874.02,3224.41) 2874.02,3019.69 2893.7,3000 v1(2905.51,3000)
  L3 w11.81: v1(937.01,3929.13) v1(968.5,3897.64) 992.13,3874.02 1039.37,3874.02 1051.18,3885.83 1051.18,3909.45 v1(1031.5,3929.13) ; v1(1094.49,3000) 1074.8,3019.69 1074.8,3043.31 1086.61,3055.12 1133.86,3055.12 v1(1157.48,3031.5) v1(1188.98,3000) ; v1(2748.03,3929.13) v1(2779.53,3897.64) 2803.15,3874.02 2850.39,3874.02 2862.2,3885.83 2862.2,3909.45 v1(2842.52,3929.13) ; v1(2905.51,3000) 2885.83,3019.69 2885.83,3043.31 2897.64,3055.12 2944.88,3055.12 v1(2968.5,3031.5) v1(3000,3000)
  L3 w19.68: v2(3976.38,3212.6) 3885.83,3212.6 3862.2,3188.98 3862.2,3133.86 3889.76,3106.3 3992.13,3106.3 4019.68,3078.74 4019.68,2728.35 v2(4015.75,2728.35)
  L4 w19.68: v2(1062.99,3228.35) 1094.49,3196.85 2149.61,3196.85 2338.58,3385.83 2338.58,3555.12 2437.01,3653.54 2641.73,3653.54 2732.28,3562.99 2732.28,3366.14 v2(2874.02,3224.41) 2885.83,3212.6 v2(3976.38,3212.6)